# Altium PCB DIOT_SMA16.PcbDoc (part 4 of 6)
Units mm, origin at the board's own origin, x right, y up, seen from the top; angles counter-clockwise.
Board outline 222.37 x 100 mm, 6 copper layers (TopLayer, MidLayer1, MidLayer2, Layer 1, Layer 2, Bottom Layer), stack 1.556 mm thick; 440 components, 301 nets, 1807 pads, 862 vias.
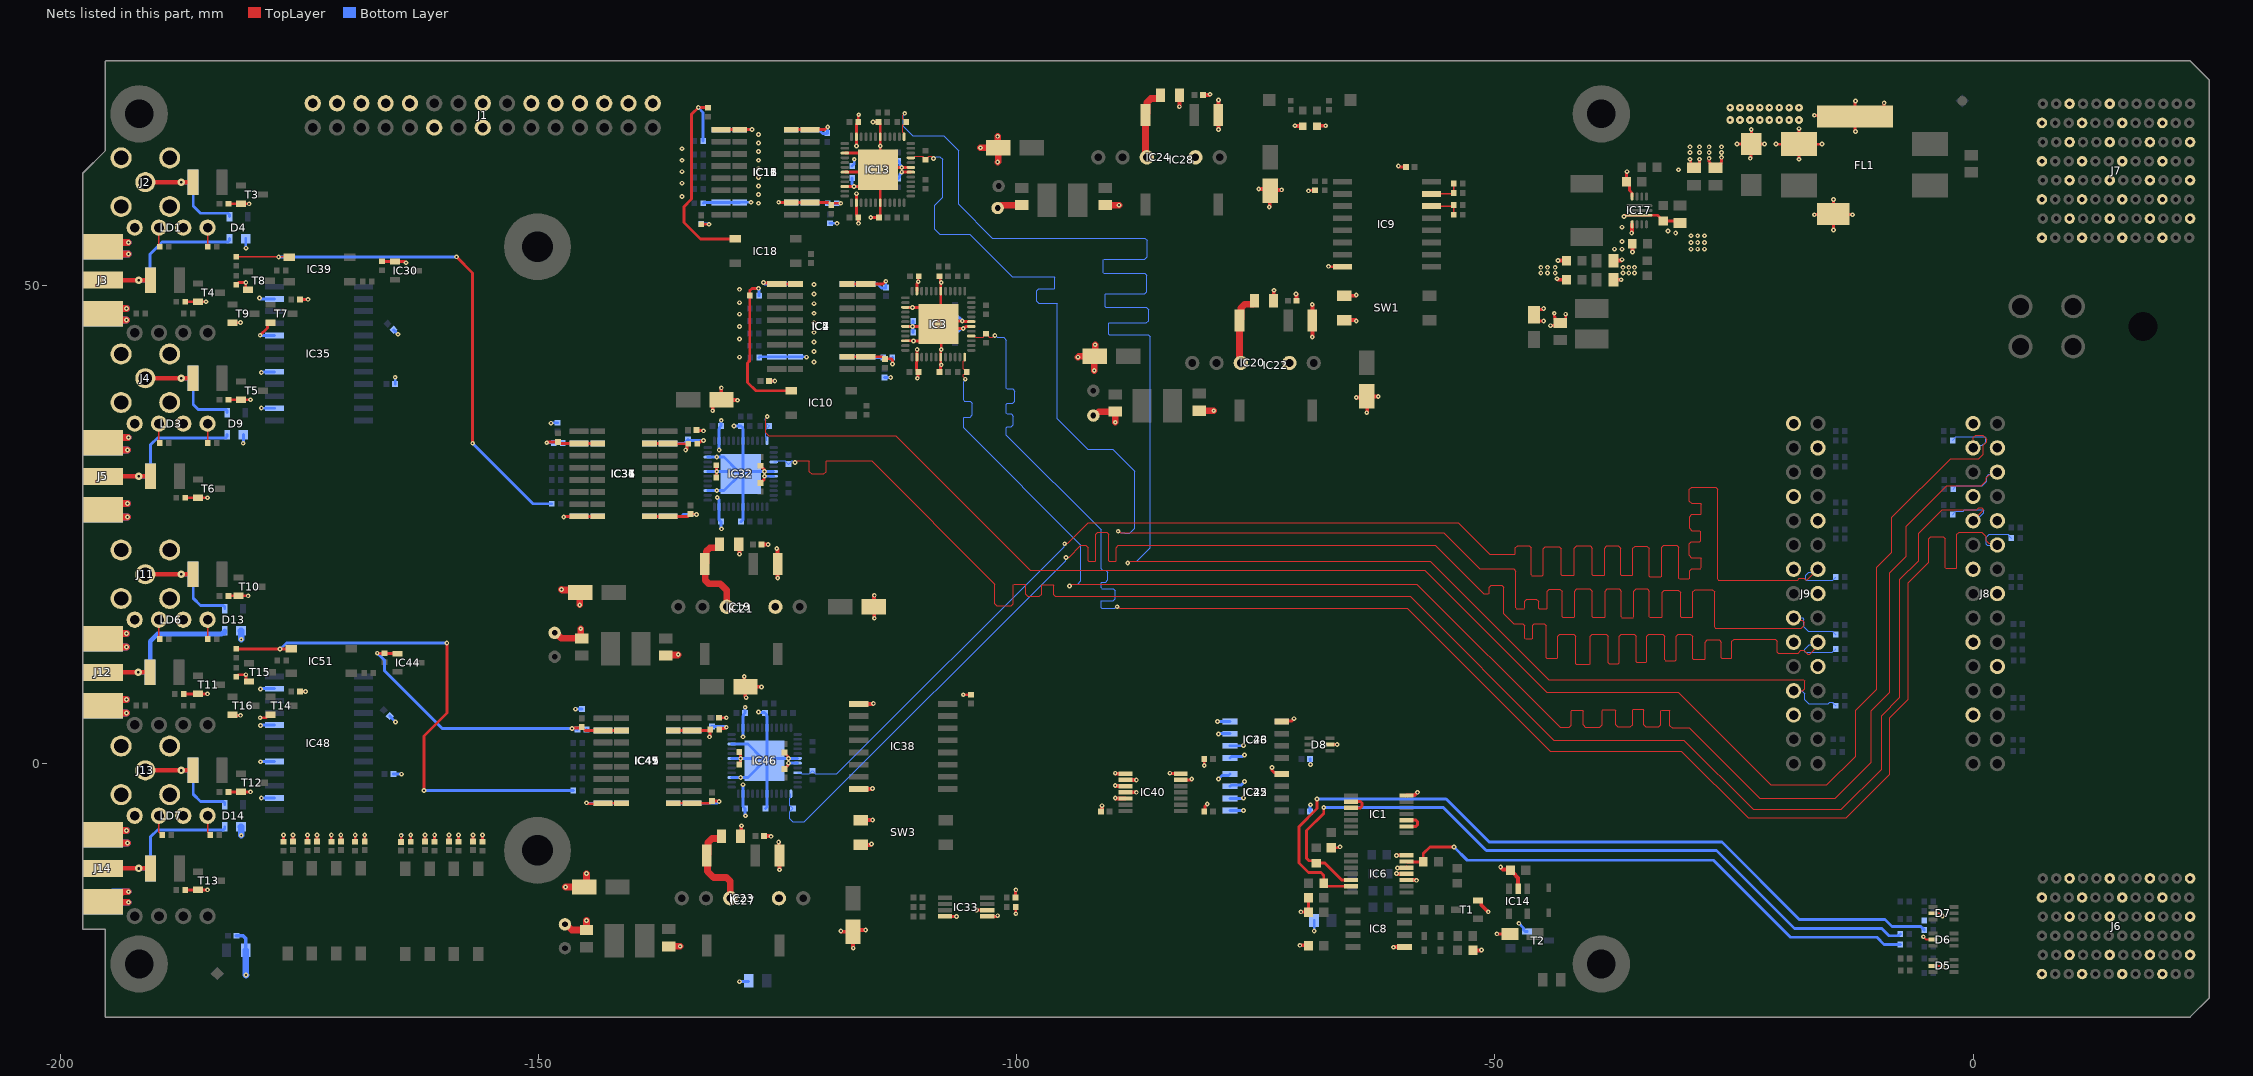
[diagram p8: the nets of this part, all layers, seen from the top]

## Via types
v1: diameter 0.5, hole 0.2, TopLayer to Bottom Layer, tented both sides, 762 vias
v2: diameter 0.8, hole 0.3, TopLayer to Bottom Layer, tented both sides, 100 vias

## Nets (pads, with @x,y where several pads share a name; then routed paths per layer and width w, separated by ;. In a path a pad name is that pad's centre, name@x,y a point inside that pad or via, vN(x,y) a via of type N, cw(c..) or ccw(c..) an arc to the next point about the centre after c; other vN are vias at no path point) (continued)
EEM_IO.LVDS_P12: IC46.9 J9.14 R121.1 R157.2 | length 184
  TopLayer w0.12: v1(-94.994,22.994) -94.936,23.053 -94.685,23.053 -92.525,25.212 -53.838,25.212 -50.525,21.9 -47.935,21.9 -47.865,21.97 -47.865,22.555 -47.639,22.781 -46.426,22.781 -46.2,22.555 -46.2,19.732 -46.13,19.662 -45.035,19.662 -44.965,19.732 -44.965,22.479 -44.739,22.704 -43.287,22.704 -43.061,22.479 -43.061,19.756 -42.991,19.686 -41.761,19.686 -41.691,19.756 -41.691,22.539 -41.465,22.765 -40.056,22.765 -39.83,22.539 -39.83,19.765 -39.76,19.694 -38.583,19.694 -38.513,19.765 -38.513,22.536 -38.287,22.762 -37.088,22.762 -36.863,22.536 -36.863,19.756 -36.793,19.686 -35.635,19.686 -35.565,19.756 -35.565,22.507 -35.339,22.733 -34.109,22.733 -33.884,22.507 -33.884,19.619 -33.813,19.548 -32.635,19.548 -32.565,19.619 -32.565,22.603 -32.339,22.829 -30.986,22.829 -30.761,22.603 -30.761,19.386 -30.691,19.316 -29.724,19.316 -29.654,19.386 -29.654,20.174 -29.428,20.4 -28.471,20.4 -28.401,20.47 -28.401,21.479 -28.471,21.549 -29.472,21.549 -29.697,21.774 -29.697,22.994 -29.472,23.22 -28.57,23.22 -28.5,23.29 -28.5,24.295 -28.57,24.365 -29.4,24.365 -29.626,24.591 -29.626,25.826 -29.4,26.052 -28.487,26.052 -28.417,26.122 -28.417,27.138 -28.487,27.208 -29.443,27.208 -29.668,27.434 -29.668,28.701 -29.443,28.927 -26.926,28.927 -26.7,28.701 -26.7,19.27 -26.63,19.2 -18.318,19.2 -18.153,19.364 -17.665,19.364 -17.525,19.224 -17.325,19.224 J9.14@-16.23,20.319
  Bottom Layer w0.12: IC46.9@-122.923,-0.95 -122.58,-0.95 -122.463,-1.068 -121.693,-1.068 -121.623,-0.997 -121.623,-0.96 -121.393,-0.73 R121.1@-121.373,-0.73 -121.353,-0.73 -121.123,-0.96 -121.123,-0.997 -121.053,-1.068 -118.805,-1.068 -95.053,22.685 -95.053,22.936 v1(-94.994,22.994) ; J9.14@-16.23,20.319 -16.513,20.036 -17.174,20.036 -17.52,19.689 -17.52,19.248 -17.45,19.177 -16.8,19.177 -14.695,19.177 -14.623,19.25 -14.603,19.25 -14.373,19.48 R157.2@-14.373,19.5
EEM_IO.LVDS_P13: IC13.9 J9.17 R36.1 R158.2 | length 182.9
  TopLayer w0.085: IC13.9@-111.076,63.35 -110.762,63.35 -110.618,63.494 -109.843,63.494 -109.793,63.444 -109.793,63.377 -109.546,63.13 R36.1@-109.526,63.13 -109.506,63.13 -109.259,63.377 -109.259,63.444 -109.208,63.494 -108.957,63.494 -108.754,63.29 v1(-108.7,63.29)
  TopLayer w0.12: v1(-89.4,24.304) -89.317,24.304 -89.14,24.126 -55.351,24.126 -51.579,20.353 -48.048,20.353 -47.822,20.128 -47.822,16.289 -47.752,16.219 -46.954,16.219 -46.884,16.289 -46.884,16.96 -46.659,17.185 -45.66,17.185 -45.435,16.96 -45.435,16.243 -45.365,16.173 -44.599,16.173 -44.529,16.243 -44.529,18.008 -44.303,18.233 -43.209,18.233 -42.983,18.008 -42.983,15.369 -42.913,15.299 -41.735,15.299 -41.665,15.369 -41.665,18.041 -41.439,18.266 -40.061,18.266 -39.835,18.041 -39.835,15.37 -39.765,15.3 -38.535,15.3 -38.465,15.37 -38.465,18.041 -38.239,18.266 -37.026,18.266 -36.8,18.041 -36.8,15.343 -36.73,15.273 -35.535,15.273 -35.465,15.343 -35.465,18.041 -35.239,18.266 -34.066,18.266 -33.841,18.041 -33.841,15.352 -33.771,15.282 -32.57,15.282 -32.5,15.352 -32.5,17.925 -32.274,18.151 -30.811,18.151 -30.585,17.925 -30.585,15.37 -30.515,15.3 -29.37,15.3 -29.3,15.37 -29.3,17.975 -29.074,18.2 -27.261,18.2 -27.035,17.975 -27.035,14.248 -26.965,14.178 -17.95,14.178 -17.659,14.469 -17.659,14.774 -17.874,14.989 -18.52,14.989 J9.17@-18.77,15.239
  Bottom Layer w0.085: v1(-108.7,63.29) v1@-108.7,63.326
  Bottom Layer w0.12: v1(-108.7,63.29) -108.617,63.29 -108.44,63.467 -108.042,63.467 -107.753,63.178 -107.753,59.222 -108.562,58.413 -108.562,55.862 -108.044,55.344 -104.914,55.344 -100.463,50.892 -96.102,50.892 -96.032,50.822 -96.032,49.723 -96.102,49.653 -97.69,49.653 -97.916,49.427 -97.916,48.361 -97.69,48.136 -95.837,48.136 -95.766,48.065 -95.766,36.077 -92.585,32.895 -89.983,32.895 -87.653,30.564 -87.653,24.622 -88.174,24.1 -88.715,24.1 -88.741,24.126 -89.14,24.126 -89.317,24.304 v1(-89.4,24.304) ; J9.17@-18.77,15.239 -17.829,15.239 -17.686,15.096 -17.686,14.31 -17.243,13.867 -14.673,13.867 -14.603,13.797 -14.603,13.73 R158.2@-14.373,13.5
EEM_IO.LVDS_P14: IC46.13 J9.20 R129.1 R159.2 | length 184.3
  TopLayer w0.12: v1(-94.844,21.544) -94.786,21.603 -94.535,21.603 -93.321,22.816 -92.797,22.816 -92.553,22.572 -92.553,21.225 -92.482,21.155 -91.815,21.155 -91.745,21.225 -91.745,23.986 -91.52,24.211 -90.603,24.211 -90.377,23.986 -90.377,21.212 -90.307,21.142 -89.66,21.142 -89.59,21.212 -89.59,22.591 -89.364,22.816 -56.216,22.816 -51.165,17.765 -50.684,17.765 -50.614,17.835 -50.614,18.452 -50.388,18.677 -49.312,18.677 -49.086,18.452 -49.086,15.687 -48.045,14.645 -47.086,14.645 -46.86,14.42 -46.86,13.112 -46.79,13.042 -46.135,13.042 -46.065,13.112 -46.065,14.459 -45.879,14.645 -44.867,14.645 -44.641,14.42 -44.641,11.091 -44.571,11.021 -43.525,11.021 -43.455,11.091 -43.455,13.297 -43.23,13.522 -41.783,13.522 -41.557,13.297 -41.557,10.467 -41.487,10.397 -40.112,10.397 -40.042,10.467 -40.042,13.297 -39.817,13.522 -38.361,13.522 -38.135,13.297 -38.135,10.531 -38.065,10.461 -37.096,10.461 -37.026,10.531 -37.026,13.297 -36.801,13.522 -35.456,13.522 -35.23,13.297 -35.23,10.66 -35.16,10.59 -34.205,10.59 -34.135,10.66 -34.135,13.308 -33.909,13.533 -32.463,13.533 -32.237,13.308 -32.237,10.84 -32.167,10.769 -31.123,10.769 -31.052,10.84 -31.052,13.324 -30.827,13.549 -29.561,13.549 -29.335,13.324 -29.335,10.992 -29.265,10.922 -28.07,10.922 -28,10.992 -28,12.718 -27.774,12.944 -26.561,12.944 -26.335,12.718 -26.335,11.075 -26.265,11.005 -25.289,11.005 -25.218,11.075 -25.218,12.786 -24.993,13.012 -20.691,13.012 -20.466,12.786 -20.466,11.635 -20.395,11.565 -18.305,11.565 -18.028,11.842 -17.709,11.842 -17.307,11.44 -17.069,11.44 -16.593,11.916 -16.593,11.936 -16.23,12.299 J9.20@-16.23,12.699
  Bottom Layer w0.12: IC46.13@-123.623,-3.15 -123.623,-3.493 -123.74,-3.61 -123.74,-4.38 -123.67,-4.45 -123.633,-4.45 -123.403,-4.68 R129.1@-123.403,-4.7 -123.403,-4.72 -123.633,-4.95 -123.67,-4.95 -123.74,-5.02 -123.74,-5.76 -123.422,-6.078 -122.215,-6.078 -94.903,21.235 -94.903,21.486 v1(-94.844,21.544) ; J9.20@-16.23,12.699 -16.488,12.441 -17.118,12.441 -17.59,11.969 -17.59,11.699 -17.52,11.628 -16.035,11.628 -14.745,11.628 -14.623,11.75 -14.603,11.75 -14.373,11.98 R159.2@-14.373,12
EEM_IO.LVDS_P15: IC13.13 J9.23 R42.1 R143.2 | length 182.5
  TopLayer w0.085: IC13.13@-111.776,65.55 -111.776,65.864 -111.92,66.007 -111.92,66.321 -111.92,66.783 -111.869,66.833 -111.803,66.833 -111.556,67.08 R42.1@-111.556,67.1 -111.556,67.12 -111.803,67.367 -111.869,67.367 -111.92,67.417 -111.92,67.538 -111.92,67.8 -111.72,68 v1(-111.716,68)
  TopLayer w0.12: v1(-88.4,20.984) -88.317,20.984 -88.14,21.161 -56.761,21.161 -44.397,8.797 -17.759,8.797 -17.617,8.655 -17.617,7.814 -17.812,7.619 J9.23@-18.77,7.619
  Bottom Layer w0.12: v1(-111.716,68) -111.716,67.917 -111.893,67.74 -111.893,66.668 -110.878,65.653 -107.653,65.653 -106.088,64.088 -106.088,58.483 -102.57,54.965 -86.607,54.965 -86.382,54.739 -86.382,52.982 -86.607,52.757 -90.869,52.757 -90.939,52.686 -90.939,51.347 -90.869,51.277 -86.613,51.277 -86.388,51.051 -86.388,49.361 -86.613,49.135 -90.703,49.135 -90.773,49.065 -90.773,47.782 -90.703,47.712 -86.443,47.712 -86.217,47.486 -86.217,46.331 -86.443,46.106 -90.323,46.106 -90.393,46.035 -90.393,44.909 -90.323,44.838 -86.27,44.838 -86.045,44.613 -86.045,22.555 -87.438,21.161 -88.14,21.161 -88.317,20.984 v1(-88.4,20.984) ; J9.23@-18.77,7.619 -17.904,7.619 -17.606,7.321 -17.606,6.686 -17.188,6.268 -15.142,6.268 -14.993,6.417 -14.673,6.417 -14.603,6.347 -14.603,6.28 R143.2@-14.373,6.05
EXP_SCL: IC9.14 R45.2 R49.2 | length 3.4
  TopLayer w0.15: IC9.14@-56.65,58.305 -54.395,58.305 R45.2@-54.3,58.4 R49.2@-54.3,57.4
EXP_SDA: IC9.15 R44.2 R47.2 | length 3.4
  TopLayer w0.15: IC9.15@-56.65,59.575 -54.375,59.575 R47.2@-54.3,59.65 R44.2@-54.3,60.65
GA0: IC6.6 R46.2 R130.1 | length 57.1
  TopLayer w0.3: IC6.6@-59.25,-10.225 -59.2,-10.275 R46.2@-57.5,-10.275 -57.5,-9.4 -56.806,-8.706 v1(-54.294,-8.706)
  Bottom Layer w0.3: v1(-54.294,-8.706) -52.9,-10.1 -27.136,-10.1 -19.076,-18.161 -10.039,-18.161 -9.3,-18.9 R130.1@-7.6,-18.9
GA1: IC6.12 R2.2 R131.1 | length 77.6
  TopLayer w0.3: v1(-67.9,-4.6) -67.9,-5.2 -69.7,-7 -69.7,-9.9 -69.443,-10.157 -68.943,-10.157 R2.2@-68.7,-10.4 -67.8,-10.4 -66.025,-12.175 IC6.12@-65.05,-12.175
  Bottom Layer w0.3: v1(-67.9,-4.6) -55.4,-4.6 -50.9,-9.1 -26.836,-9.1 -18.679,-17.257 -9.543,-17.257 -8.8,-18 -7.916,-18 -7.886,-17.97 -7.74,-17.97 -7.6,-17.83 R131.1@-7.6,-17.81
GA2: IC6.13 R30.2 R136.1 | length 83.6
  TopLayer w0.3: v1(-68.6,-3.7) -68.6,-4.7 -70.5,-6.6 -70.5,-10.4 -69.5,-11.4 -68.2,-11.4 -67.9,-11.7 R30.2@-67.9,-12.525 -67.6,-12.825 IC6.13@-65.05,-12.825
  Bottom Layer w0.3: v1(-68.6,-3.7) -55.1,-3.7 -50.6,-8.2 -26.264,-8.2 -18.179,-16.285 -9.215,-16.285 -8.476,-17.024 -5.476,-17.024 -5.335,-17.165 -5.315,-17.165 -5.1,-17.38 R136.1@-5.1,-17.4
GA3: R140.1
GND: C1.1 C2.1 C3.1 C4.1 C5.1 C6.1 C7.1 C8.1 C9.1 C10.1 C11.1 C12.1 C13.1 C14.1 C15.1 C16.1 C17.1 C18.1 C19.1 C20.1 C21.1 C22.1 C23.2 C24.1 C25.1 C26.1 C27.1 C28.1 C29.1 C30.1 C31.1 C32.1 C33.2 C34.1 C35.1 C36.2 C37.1 C40.1 C46.2 C47.1 C49.1 C50.1 C51.1 C52.1 C55.1 C56.1 C57.2 C58.1 C66.2 C67.1 C69.1 C70.1 C71.1 C72.1 C79.1 C80.1 C81.1 C82.1 C83.1 C84.1 C85.2 C86.1 C87.1 C88.1 C102.2 C212.2 C219.1 C220.1 C245.1 C262.1 C263.1 C298.1 C306.1 C307.1 D5.2 D6.2 D7.2 D8.2 D10.2 FL1.4 IC1.7 IC2.9 IC3.6 IC3.7 IC3.18 IC3.23 IC3.27 IC3.31 IC3.34 IC3.38 IC3.43 IC3.49 IC4.9 IC5.2 IC5.8 IC6.3 IC6.4 IC6.5 IC6.7 IC7.2 IC7.8 IC8.1 IC9.8 IC11.9 IC12.9 IC13.6 IC13.7 IC13.18 IC13.23 IC13.27 IC13.31 IC13.34 IC13.38 IC13.43 IC13.49 IC14.2 IC15.2 IC15.8 IC16.2 IC16.8 IC17.3 IC17.4 IC17.11 IC19.2 IC20.2 IC21.1 IC22.1 IC23.2 IC24.2 IC25.1 IC25.2 IC25.3 IC25.4 IC26.1 IC26.2 IC26.3 IC26.4 IC27.1 IC28.1 IC31.9 IC32.6 IC32.7 IC32.18 IC32.23 IC32.27 IC32.31 IC32.34 IC32.38 IC32.43 IC32.49 IC33.4 IC33.5 IC33.6 IC34.9 IC36.2 IC36.8 IC37.2 IC37.8 IC38.1 IC38.8 IC40.6 IC40.7 IC40.8 IC40.9 IC40.10 IC40.11 IC40.12 IC41.9 IC42.4 IC43.4 IC45.9 IC46.6 IC46.7 IC46.18 IC46.23 IC46.27 IC46.31 IC46.34 IC46.38 IC46.43 IC46.49 IC47.2 IC47.8 IC49.2 IC49.8 J6.A2 J6.A4 J6.A6 J6.C1 J6.C5 J6.D2 J6.D4 J6.D6 J6.F1 J6.F5 J6.G2 J6.G4 J6.G6 J6.I1 J6.I5 J6.J2 J6.J4 J6.J6 J6.L1 J6.L5 J7.A2 J7.A4 J7.A6 J7.C1 J7.C3 J7.C5 J7.C7 J7.D2 J7.D4 J7.D6 J7.F1 J7.F3 J7.F5 J7.F7 J7.G2 J7.G4 J7.G6 J7.G8 J7.I1 J7.I3 J7.I5 J7.I7 J7.J2 J7.J4 J7.J6 J7.J8 J7.L1 J7.L3 J7.L5 J7.L7 J8.1 J8.4 J8.7 J8.10 J8.13 J8.16 J8.19 J8.22 J8.25 J9.1 J9.4 J9.7 J9.10 J9.13 J9.16 J9.19 J9.22 J9.25 LD4.1 LD5.1 R5.2 R14.2 R16.2 R26.2 R29.2 R41.2 R51.2 R52.2 R53.2 R54.2 R56.1 R61.2 R81.2 R85.2 R103.2 R109.2 R119.2 R125.2 R126.2 R155.2 R194.1 SW1.3 SW1.4 SW3.3 SW3.4 T1.2 T2.2 | length 389.6
  TopLayer w0.2: v1(-5.2,-18.1) -4.9,-18.4 D6.2@-4.2,-18.4 ; D5.2@-4.2,-21.15 -3.25,-21.15 v1(-3.2,-21.2) ; D7.2@-4.2,-15.65 -3.46,-15.65 -3.2,-15.91 v1(-3.2,-15.92)
  TopLayer w0.3: IC31.9@-138.423,25.855 IC34.9@-136.473,25.855 -134.368,25.855 C32.1@-134.123,26.1 -134.098,26.075 -133.523,26.075 v1(-133.498,26.05) ; IC41.9@-135.923,-4.145 IC45.9@-133.967,-4.144 ; IC45.9@-133.967,-4.144 -132.117,-4.144 C28.1@-131.873,-3.9 -131.173,-3.9 v1(-131.123,-3.95) ; C15.1@-133.473,34.875 -133.435,34.837 -132.785,34.837 v1(-132.748,34.8) ; R85.2@-133.433,33.45 -133.433,33.47 -133.293,33.61 -133.117,33.61 -132.965,33.762 -132.786,33.762 v1(-132.748,33.8) ; R81.2@-131.44,29.9 -131.406,29.934 -131.406,30.516 v1(-131.373,30.55) -131.406,30.584 -131.406,31.166 R61.2@-131.44,31.2 ; R109.2@-131.123,3.55 -130.984,3.689 -130.538,3.689 -130.427,3.8 v1(-130.373,3.8) ; C29.1@-131.123,4.8 v1(-130.373,4.8) ; R125.2@-129,-0.1 -128.911,-0.011 -128.911,0.512 v1(-128.873,0.55) -128.911,0.588 -128.911,1.111 R103.2@-129,1.2 ; C18.1@-126.8,29.35 -126.411,29.739 ; C19.1@-126.8,31.15 v1@-126.411,30.761 ; v1(-124.9,58.7) -124.875,58.675 IC15.2@-123.576,58.675 IC16.2@-121.626,58.675 -119.675,58.675 C35.1@-119.4,58.4 -119.2,58.6 v1(-118.401,58.6) ; C26.1@-124.3,-0.55 v1@-123.911,-0.161 ; C25.1@-124.3,1.15 v1@-123.911,0.761 ; IC15.8@-123.576,66.295 IC16.8@-121.626,66.295 -120.045,66.295 v1(-119.767,66.573) ; IC13.34@-117.976,60.35 v1(-117.026,60.35) -116.276,60.35 IC13.49@-114.776,61.85 ; IC13.31@-117.976,61.85 -117.026,61.85 IC13.49@-114.776,61.85 ; IC13.27@-117.976,63.85 -117.026,63.85 -116.276,63.85 -114.771,62.345 -114.766,62.35 IC13.49@-114.276,62.35 ; IC5.2@-117.749,42.542 IC7.2@-115.799,42.542 -114.042,42.542 C55.1@-113.8,42.3 ; IC5.8@-117.749,50.162 IC7.8@-115.799,50.162 -113.983,50.162 v1(-113.698,50.447) ; v1(-116.776,59.6) IC13.38@-116.776,58.65 -116.776,57.436 -116.736,57.396 -116.736,57.26 -116.574,57.098 -116.574,56.516 v1(-116.558,56.5) ; v1(-116.776,64.6) IC13.23@-116.776,65.55 -116.776,66.9 C49.1@-116.576,67.1 -116.576,67.8 v1(-116.526,67.85) ; v1(-115.276,57.1) -114.476,57.1 -114.316,57.26 -114.316,57.396 -114.276,57.436 IC13.43@-114.276,58.65 -114.276,61.769 IC13.49@-114.276,62.35 ; v1(-115.026,67.1) C51.1@-114.476,67.1 -114.276,66.9 IC13.18@-114.276,65.55 v1(-114.276,64.6) IC13.49@-114.276,62.35 ; IC13.49@-114.651,61.975 IC13.49@-114.776,61.85 ; C55.1@-113.8,42.336 -113.136,42.336 -113,42.2 v1(-113,41.8) ; v1(-112.026,61.85) IC13.6@-111.076,61.85 ; IC3.34@-111.649,44.217 -110.817,44.217 v1(-110.8,44.2) -109.965,44.2 IC3.49@-108.465,45.7 ; IC3.31@-111.649,45.717 -110.917,45.717 v1(-110.9,45.7) IC3.49@-108.465,45.7 ; IC3.27@-111.649,47.717 -110.917,47.717 v1(-110.9,47.7) -109.932,47.7 IC3.49@-108.199,45.967 ; IC13.7@-111.076,62.35 v1(-112.026,62.35) IC13.49@-114.276,62.35 ; IC3.23@-110.449,49.417 -110.449,50.197 -110.3,50.346 v1(-110.3,50.4) -110.3,50.915 C50.1@-110.249,50.967 ; v1(-110.42,43.3) -110.449,43.271 IC3.38@-110.449,42.517 -110.449,42.067 -110.5,42.015 -110.5,41.302 -110.459,41.261 -110.459,41.127 C3.1@-110.299,40.967 -110.318,40.948 -110.318,40.382 v1(-110.4,40.3) ; C6.1@-108.099,40.967 -107.988,41.078 -107.988,41.512 -107.9,41.6 v1(-107.9,41.7) -107.9,41.754 -107.949,41.803 IC3.43@-107.949,42.517 -107.949,43.251 v1(-107.9,43.3) IC3.49@-107.9,45.668 ; C7.1@-108.099,50.967 -108.004,50.873 -108.004,50.404 v1(-107.9,50.3) -107.9,50.246 -107.949,50.197 IC3.18@-107.949,49.417 IC3.49@-107.949,46.217 ; IC33.4@-107.5,-15.975 -106.325,-15.975 v1(-106.3,-16) ; v1(-105.6,7.2) C88.1@-104.8,7.2 ; IC3.6@-104.749,45.717 -105.329,45.717 -105.546,45.5 v1(-105.6,45.5) -107.732,45.5 IC3.49@-107.9,45.668 ; IC3.7@-104.749,46.217 -105.563,46.217 -105.646,46.3 v1(-105.7,46.3) -107.865,46.3 IC3.49@-107.949,46.217 ; v1(-104.2,-15.3) -104.175,-15.325 IC33.6@-103.1,-15.325 ; IC33.5@-103.1,-15.975 -102.075,-15.975 v1(-102,-15.9) ; C245.1@-100.15,-14 -100.15,-13.25 v1(-100.1,-13.2) ; R194.1@-100.11,-15 -100.11,-15.69 v1(-100.1,-15.7) ; v1(-84,-1) -83.95,-1.05 IC40.7@-82.85,-1.05 ; IC40.6@-82.85,-1.7 -81.8,-1.7 v1(-81.7,-1.6) ; C306.1@-80.4,-5 -80.322,-4.922 -80.322,-4.422 -80.118,-4.218 v1(-80.082,-4.218) ; v1(-80.4,-0.2) C307.1@-80.4,0.5 ; v1(-73.3,-0.4) -73.3,-0.7 -73.055,-0.945 -72.45,-0.945 IC42.4@-72.3,-1.095 ; IC43.4@-72.3,4.405 -72.256,4.449 -71.251,4.449 v1(-71,4.7) ; v1(-70.3,-15.5) -70.275,-15.525 C11.1@-69.5,-15.525 C1.1@-69.5,-14.025 ; v1(-69.5,59.9) -69.44,59.96 R56.1@-68.8,59.96 ; v1(-67.4,52) -67.355,51.955 IC9.8@-65.95,51.955 ; D8.2@-67.25,2 v1(-66.5,2) ; C14.1@-67.1,-8.8 -66.3,-8.8 v1(-66.2,-8.7) ; v1(-60.1,62.5) -60,62.4 C2.1@-59.3,62.4 ; v1(-49.8,-17.8) C102.2@-48.425,-17.8 ; v1(-44.9,46.3) -45.425,46.3 -45.9,46.775 C85.2@-45.9,46.95 -45.9,47.024 -45.425,47.499 -45.001,47.499 v1(-44.9,47.6) ; v1(-44.2,45.8) -43.45,45.8 C84.1@-43.15,46.1 ; v1(-43.8,47.1) -43.8,46.75 -43.7,46.65 -43.7,46.475 -43.325,46.1 C84.1@-43.15,46.1 ; v1(-42.6,47) -42.6,46.475 -42.975,46.1 C84.1@-43.15,46.1 ; v1(-36.5,57.2) -36.35,57.35 IC17.3@-34.9,57.35 -33,57.35 -32.75,57.1 -32.75,57.075 -32.425,56.75 C86.1@-32.4,56.75 -30.85,56.75 C87.1@-30.65,56.55 ; v1(-36.2,61.9) -36.25,61.85 C79.1@-36.25,60.85 -35.946,60.546 -35.946,59.972 -35.65,59.676 IC17.11@-35.65,59.3 ; v1(-29.6,63.2) -29.517,63.117 -29.517,62.62 C262.1@-29.188,62.292 -29.013,62.292 -28.613,62.692 -28.613,62.867 -28.6,62.881 v1(-28.6,63.2) ; v1(-27.6,63.3) -27.6,62.954 -27.513,62.867 -27.513,62.692 -27.113,62.292 C263.1@-26.938,62.292 -26.763,62.292 -26.363,62.692 -26.363,62.867 -26.3,62.931 v1(-26.3,63.4) ; v1(-24.7,64.8) -24.692,64.792 D10.2@-23.188,64.792 ; v1(-23.3,63.3) -23.232,63.368 -23.232,64.749 D10.2@-23.188,64.792 ; v1(-23.2,66.3) -23.188,66.288 D10.2@-23.188,64.792 ; v1(-21.8,64.8) -21.808,64.792 D10.2@-23.188,64.792 ; v1(-20.6,64.8) -20.575,64.775 FL1.4@-18.2,64.775 ; v1(-18.2,63.2) FL1.4@-18.2,64.775 ; v1(-18.2,66.4) FL1.4@-18.2,64.775 ; v1(-16.6,57.4) -16.574,57.426 -14.649,57.426 FL1.4@-14.6,57.475 ; v1(-16.6,67.8) -16.574,67.774 -12.449,67.774 FL1.4@-12.35,67.675 ; v1(-15.8,64.8) -15.825,64.775 FL1.4@-18.2,64.775 ; v1(-14.6,55.8) FL1.4@-14.6,57.475 ; v1(-14.6,59) FL1.4@-14.6,57.475 ; v1(-12.6,57.4) -12.626,57.426 -14.551,57.426 FL1.4@-14.6,57.475 ; v1(-12.3,66.1) -12.35,66.15 FL1.4@-12.35,67.675 ; v1(-12.3,69.3) -12.35,69.25 FL1.4@-12.35,67.675 ; v1(-9.3,69.1) -9.3,68.675 -10.3,67.675 FL1.4@-12.35,67.675 ; IC3.49@-108.465,45.7 IC3.49@-108.199,45.967 ; IC3.49@-108.199,45.967 IC3.49@-107.949,46.217 ; IC3.49@-108.199,45.967 IC3.49@-107.9,45.668
  TopLayer w0.4: v1(-131.8,36.9) -131.8,37.45 -131.2,38.05 C33.2@-130.873,38.05 ; v1(-130.9,39.3) -130.9,38.077 C33.2@-130.873,38.05 ; v1(-129.2,38) -129.232,38.032 -130.855,38.032 C33.2@-130.873,38.05 ; R51.2@-129.078,22.925 -129,22.847 v1(-129,21.9) ; R53.2@-128.873,-7.575 -128.809,-7.511 -128.809,-6.509 v1(-128.8,-6.5) ; v1(-128.5,9.1) -128.5,8.177 C23.2@-128.373,8.05 ; v1(-128.3,6.9) -128.4,7 -128.4,8.023 C23.2@-128.373,8.05 ; v1(-126.7,8) -126.732,8.032 -128.355,8.032 C23.2@-128.373,8.05 ; C58.1@-126.678,22.925 -126.67,22.917 -126.017,22.917 v1(-126,22.9) ; C37.1@-126.423,-7.575 -125.725,-7.575 v1(-125.7,-7.6) ; v1(-125.1,22.5) -125.018,22.418 IC21.1@-125.018,20.875 -125.018,19.418 v1(-125,19.4) ; v1(-124.9,-8.2) -124.9,-9.538 IC27.1@-124.813,-9.625 -124.8,-9.638 v1(-124.8,-11.1) ; v1(-118.4,-17.5) -118.325,-17.575 C57.2@-117.123,-17.575 ; v1(-117.1,-19.3) -117.123,-19.277 C57.2@-117.123,-17.575 ; IC38.8@-116.523,-2.645 -115.145,-2.645 v1(-115.1,-2.6) ; IC38.1@-116.523,6.245 -115.055,6.245 v1(-115,6.3) ; SW3.4@-116.323,-8.47 -116.3,-8.493 -115.293,-8.493 v1(-115.2,-8.4) ; SW3.3@-116.323,-5.93 -116.293,-5.9 v1(-115.073,-5.9) ; v1(-115.8,-17.4) -116.948,-17.4 C57.2@-117.123,-17.575 ; v1(-114.9,15.2) -114.9,16.35 C36.2@-114.95,16.4 -114.934,16.416 -114.934,17.566 v1(-114.9,17.6) ; C298.1@-91.2,-5 -91.1,-4.9 v1(-91.1,-4.4) ; v1(-89.7,-3.6) -89.65,-3.65 IC40.12@-88.65,-3.65 ; v1(-89.7,-2.3) -89.65,-2.35 IC40.10@-88.65,-2.35 ; v1(-89.7,-1) -89.65,-1.05 IC40.8@-88.65,-1.05 ; IC40.11@-88.65,-3 v1(-87.5,-3) ; IC40.9@-88.65,-1.7 v1(-87.5,-1.7) ; v1(-83,68.7) -83,69.88 R54.2@-82.98,69.9 ; C67.1@-80.53,69.9 -80.511,69.919 -79.881,69.919 v1(-79.8,70) ; v1(-78.9,66.3) -78.92,66.32 IC28.1@-78.92,67.85 -78.92,69.38 v1(-78.9,69.4) ; v1(-74.7,60.1) -73.68,60.1 C66.2@-73.48,59.9 ; v1(-73.6,58.2) -73.541,58.259 -73.541,59.839 C66.2@-73.48,59.9 ; R52.2@-73.15,48.4 -73.134,48.416 -73.134,49.466 v1(-73.1,49.5) ; v1(-72.3,60) -72.314,59.986 -73.394,59.986 C66.2@-73.48,59.9 ; v1(-70.9,66.7) -70.866,66.666 -70.116,66.666 LD4.1@-70.1,66.65 ; v1(-70.8,49.1) -70.759,49.059 -70.759,48.409 C47.1@-70.75,48.4 ; v1(-70.4,-19) -69.525,-19 C10.1@-69.5,-19.025 ; v1(-69.1,44.6) -69.09,44.61 IC22.1@-69.09,46.35 -69.09,47.99 v1(-69.1,48) ; LD5.1@-68.6,66.65 -68.55,66.7 v1(-67.7,66.7) ; SW1.4@-65.75,46.38 -64.58,46.38 v1(-64.5,46.3) ; SW1.3@-65.75,48.92 -64.58,48.92 v1(-64.5,49) ; v1(-64.5,38.3) -63.5,38.3 C46.2@-63.4,38.4 ; v1(-63.4,36.7) -63.359,36.741 -63.359,38.359 C46.2@-63.4,38.4 ; v1(-62.2,38.4) C46.2@-63.4,38.4 ; v1(-60.6,-19.2) -60.58,-19.18 IC8.1@-59.45,-19.18 ; v1(-60.3,-11.5) -60.275,-11.525 IC6.4@-59.25,-11.525 ; v1(-60.3,-9.6) -60.275,-9.575 IC6.7@-59.25,-9.575 ; v1(-60.2,-10.9) -59.275,-10.9 IC6.5@-59.25,-10.875 ; IC6.3@-59.25,-12.175 -58.225,-12.175 v1(-58.2,-12.2) ; IC1.7@-59.25,-3.325 -59.225,-3.3 -58.4,-3.3 v1(-58.1,-3) ; C12.1@-52.3,-19.525 -51.425,-19.525 v1(-51.4,-19.5) ; T1.2@-51.75,-14.325 -51.55,-14.325 -51.425,-14.45 -51.425,-14.775 v1(-50.7,-15.5) ; v1(-49.4,-10.8) -49.4,-10.827 -49.35,-10.877 -49.35,-10.9 -49.166,-11.084 -48.443,-11.084 C40.1@-48.375,-11.152 -48.375,-11.177 -48.1,-11.452 -48.075,-11.452 -47.575,-11.952 IC14.2@-47.575,-13.102 ; v1(-43.5,50.7) -43.4,50.6 C80.1@-42.5,50.6 ; v1(-43.4,52.6) C81.1@-42.5,52.6 ; C82.1@-37.6,50.6 v1(-36.8,50.6) ; C83.1@-37.6,52.6 -36.8,52.6 v1(-36.7,52.7) ; v1(-35.7,55.5) -35.65,55.55 IC17.4@-35.65,56.4 ; R155.2@-35.65,54.35 -35.6,54.3 v1(-35.6,53.5)